# Altium PCB mantarray_beta2_sensor_arrayed.PcbDoc (part 3 of 14) (continued)
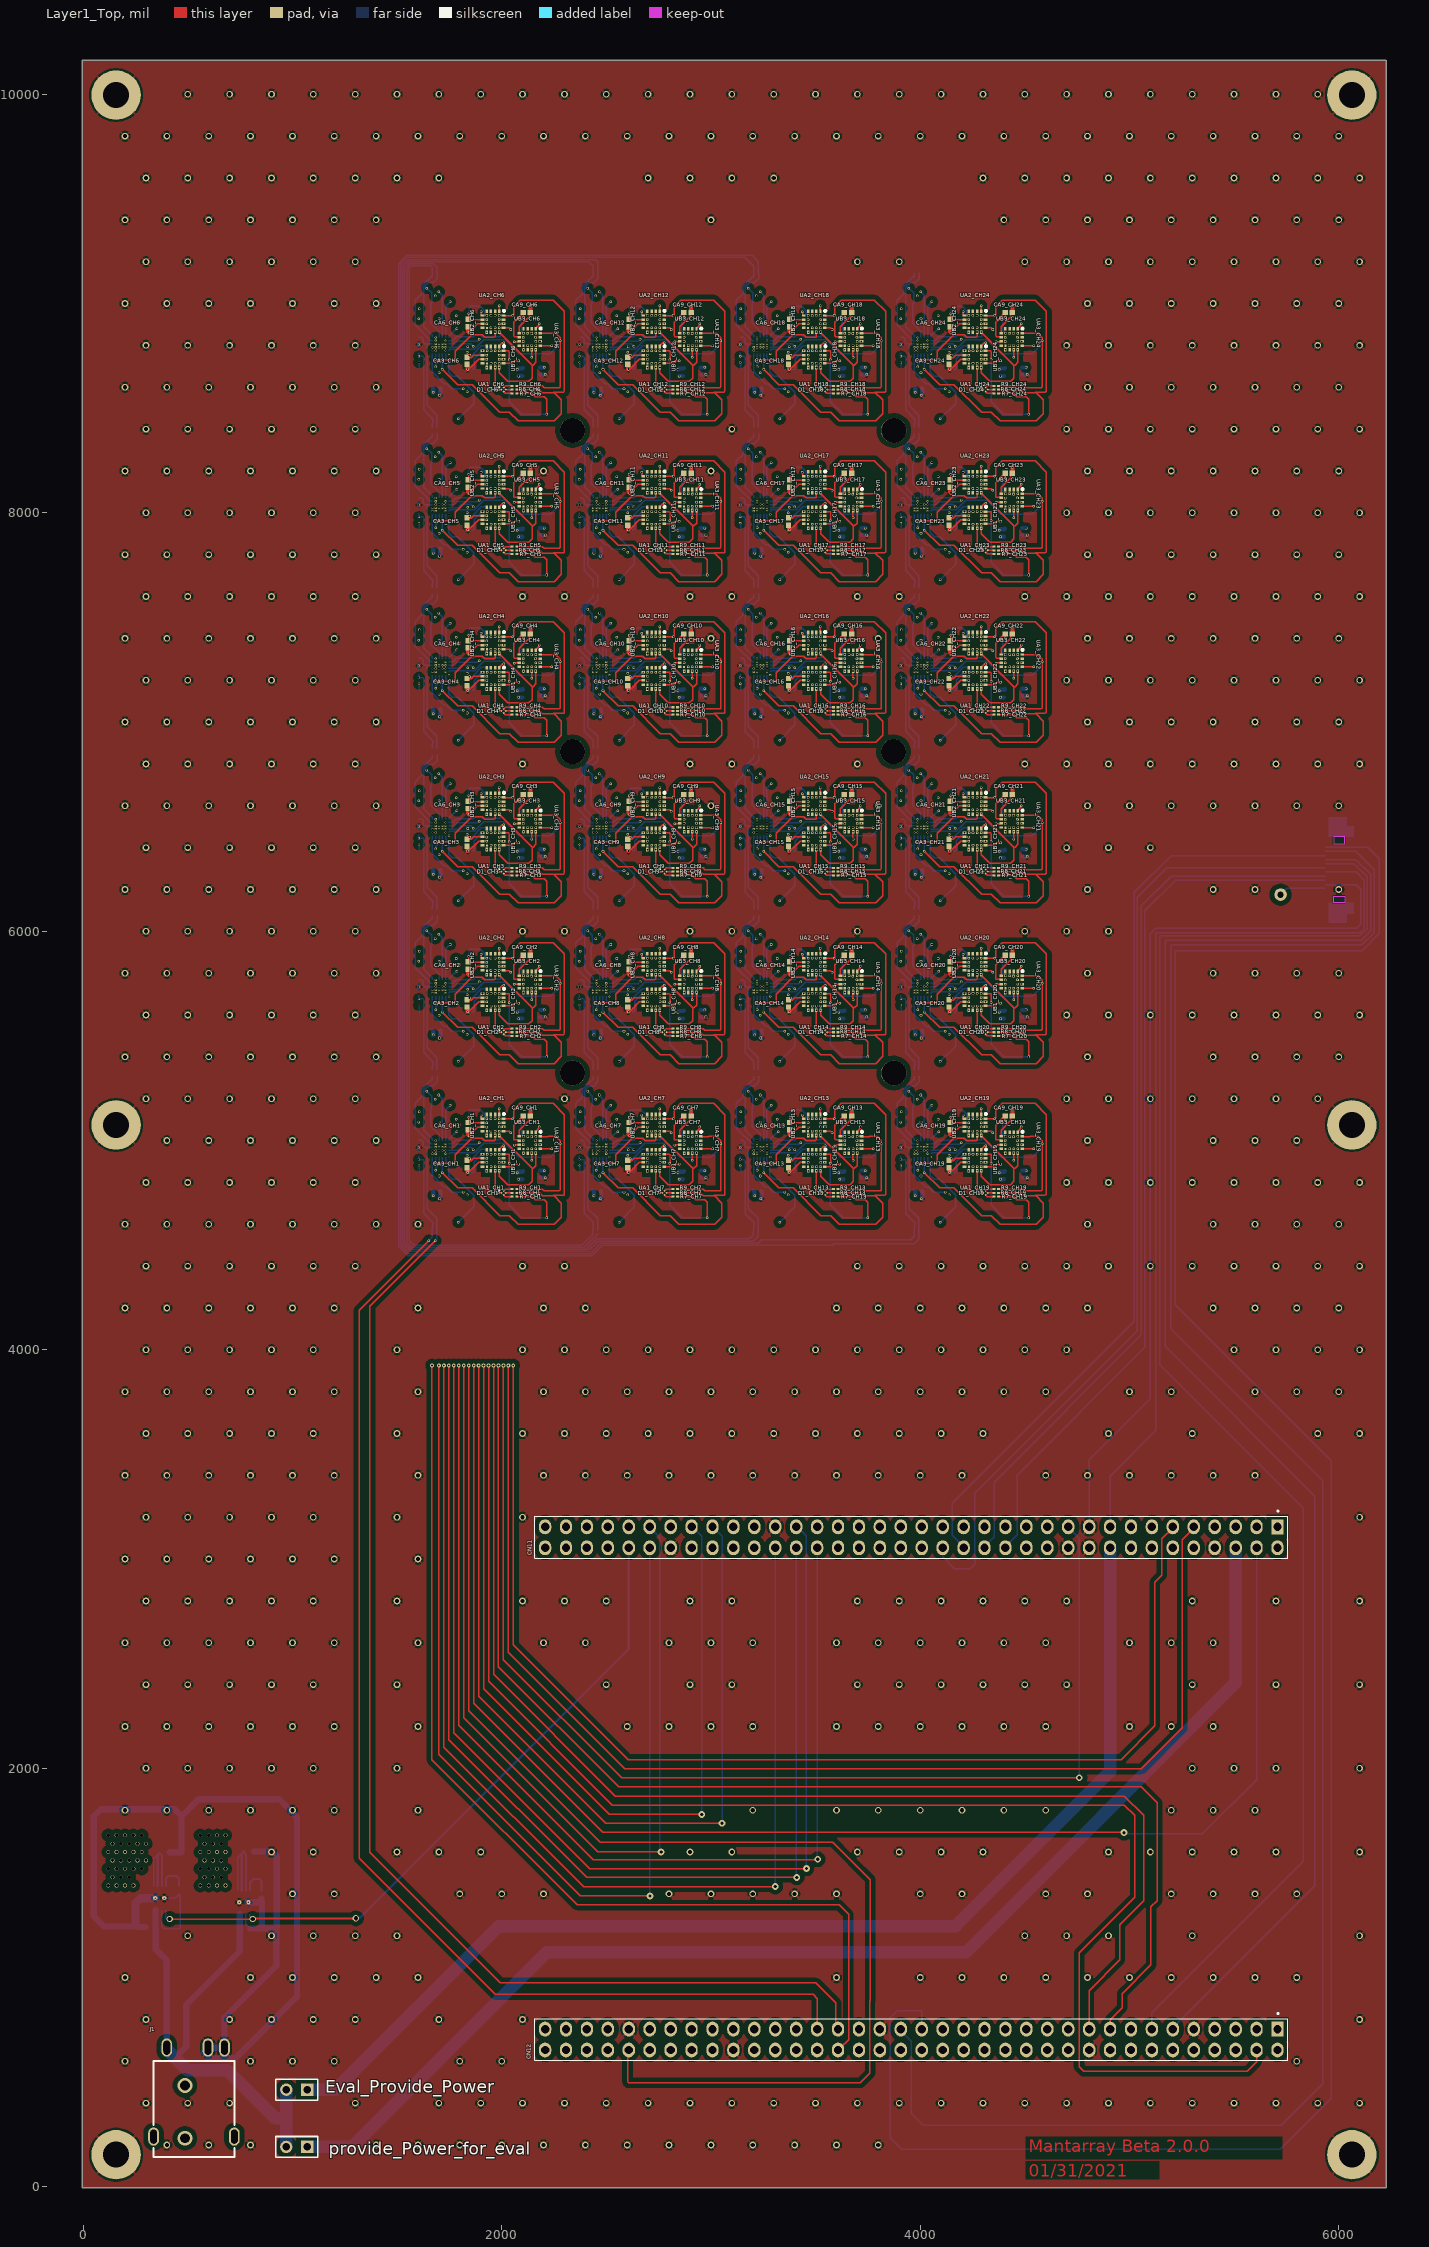
[diagram p0: Layer1_Top view]
## Nets (pads, with @x,y where several pads share a name; then routed paths per layer and width w, separated by ;. In a path a pad name is that pad's centre, name@x,y a point inside that pad or via, vN(x,y) a via of type N, cw(c..) or ccw(c..) an arc to the next point about the centre after c; other vN are vias at no path point) (continued)
  Layer1_Top w6: v1(1929.13,4854.52) UB1_CH1.13@1929.13,4855.31 ; v1(1929.13,5622.23) UB1_CH2.13@1929.13,5623.03 ; v1(1929.13,6389.95) UB1_CH3.13@1929.13,6390.75 ; v1(1929.13,7157.66) UB1_CH4.13@1929.13,7158.46 ; v1(1929.13,7925.38) UB1_CH5.13@1929.13,7926.18 ; v1(1929.13,8693.1) UB1_CH6.13@1929.13,8693.9 ; v1(1984.25,4750) D1_CH1.1@2000.1,4750 ; v1(1984.25,5517.72) D1_CH2.1@2000.1,5517.72 ; v1(1984.25,6285.43) D1_CH3.1@2000.1,6285.43 ; v1(1984.25,7053.15) D1_CH4.1@2000.1,7053.15 ; v1(1984.25,7820.87) D1_CH5.1@2000.1,7820.86 ; v1(1984.25,8588.58) D1_CH6.1@2000.1,8588.58 ; v1(2103.84,4980.03) 2104.33,4979.54 UA3_CH1.6@2104.33,4978.35 ; v1(2103.84,5747.75) 2104.33,5747.26 UA3_CH2.6@2104.33,5746.06 ; v1(2103.84,6515.47) 2104.33,6514.97 UA3_CH3.6@2104.33,6513.78 ; v1(2103.84,7283.18) 2104.33,7282.69 UA3_CH4.6@2104.33,7281.5 ; v1(2103.84,8050.9) 2104.33,8050.41 UA3_CH5.6@2104.33,8049.21 ; v1(2103.84,8818.61) 2104.33,8818.12 UA3_CH6.6@2104.33,8816.93 ; v1(2696.85,4854.52) UB1_CH7.13@2696.85,4855.31 ; v1(2696.85,5622.23) UB1_CH8.13@2696.85,5623.03 ; v1(2696.85,6389.95) UB1_CH9.13@2696.85,6390.75 ; v1(2696.85,7157.66) UB1_CH10.13@2696.85,7158.46 ; v1(2696.85,7925.38) UB1_CH11.13@2696.85,7926.18 ; v1(2696.85,8693.1) UB1_CH12.13@2696.85,8693.9 ; v1(2751.97,4750) D1_CH7.1@2767.82,4750 ; v1(2751.97,5517.72) D1_CH8.1@2767.82,5517.72 ; v1(2751.97,6285.43) D1_CH9.1@2767.82,6285.43 ; v1(2751.97,7053.15) D1_CH10.1@2767.82,7053.15 ; v1(2751.97,7820.87) D1_CH11.1@2767.82,7820.86 ; v1(2751.97,8588.58) D1_CH12.1@2767.82,8588.58 ; v1(2871.55,4980.03) 2872.05,4979.54 UA3_CH7.6@2872.05,4978.35 ; v1(2871.55,5747.75) 2872.05,5747.26 UA3_CH8.6@2872.05,5746.06 ; v1(2871.55,6515.47) 2872.05,6514.97 UA3_CH9.6@2872.05,6513.78 ; v1(2871.55,7283.18) 2872.05,7282.69 UA3_CH10.6@2872.05,7281.5 ; v1(2871.55,8050.9) 2872.05,8050.41 UA3_CH11.6@2872.05,8049.21 ; v1(2871.55,8818.61) 2872.05,8818.12 UA3_CH12.6@2872.05,8816.93 ; v1(3464.57,4854.52) UB1_CH13.13@3464.57,4855.31 ; v1(3464.57,5622.23) UB1_CH14.13@3464.57,5623.03 ; v1(3464.57,6389.95) UB1_CH15.13@3464.57,6390.75 ; v1(3464.57,7157.66) UB1_CH16.13@3464.57,7158.46 ; v1(3464.57,7925.38) UB1_CH17.13@3464.57,7926.18 ; v1(3464.57,8693.1) UB1_CH18.13@3464.57,8693.9 ; v1(3519.69,4750) D1_CH13.1@3535.53,4750 ; v1(3519.69,5517.72) D1_CH14.1@3535.53,5517.72 ; v1(3519.69,6285.43) D1_CH15.1@3535.53,6285.43 ; v1(3519.69,7053.15) D1_CH16.1@3535.53,7053.15 ; v1(3519.69,7820.87) D1_CH17.1@3535.53,7820.86 ; v1(3519.69,8588.58) D1_CH18.1@3535.53,8588.58 ; v1(3639.27,4980.03) 3639.76,4979.54 UA3_CH13.6@3639.76,4978.35 ; v1(3639.27,5747.75) 3639.76,5747.26 UA3_CH14.6@3639.76,5746.06 ; v1(3639.27,6515.47) 3639.76,6514.97 UA3_CH15.6@3639.76,6513.78 ; v1(3639.27,7283.18) 3639.76,7282.69 UA3_CH16.6@3639.76,7281.5 ; v1(3639.27,8050.9) 3639.76,8050.41 UA3_CH17.6@3639.76,8049.21 ; v1(3639.27,8818.61) 3639.76,8818.12 UA3_CH18.6@3639.76,8816.93 ; v1(4232.28,4854.52) UB1_CH19.13@4232.28,4855.31 ; v1(4232.28,5622.23) UB1_CH20.13@4232.28,5623.03 ; v1(4232.28,6389.95) UB1_CH21.13@4232.28,6390.75 ; v1(4232.28,7157.66) UB1_CH22.13@4232.28,7158.46 ; v1(4232.28,7925.38) UB1_CH23.13@4232.28,7926.18 ; v1(4232.28,8693.1) UB1_CH24.13@4232.28,8693.9 ; v1(4287.4,4750) D1_CH19.1@4303.25,4750 ; v1(4287.4,5517.72) D1_CH20.1@4303.25,5517.72 ; v1(4287.4,6285.43) D1_CH21.1@4303.25,6285.43 ; v1(4287.4,7053.15) D1_CH22.1@4303.25,7053.15 ; v1(4287.4,7820.87) D1_CH23.1@4303.25,7820.86 ; v1(4287.4,8588.58) D1_CH24.1@4303.25,8588.58 ; v1(4406.99,4980.03) 4407.48,4979.54 UA3_CH19.6@4407.48,4978.35 ; v1(4406.99,5747.75) 4407.48,5747.26 UA3_CH20.6@4407.48,5746.06 ; v1(4406.99,6515.47) 4407.48,6514.97 UA3_CH21.6@4407.48,6513.78 ; v1(4406.99,7283.18) 4407.48,7282.69 UA3_CH22.6@4407.48,7281.5 ; v1(4406.99,8050.9) 4407.48,8050.41 UA3_CH23.6@4407.48,8049.21 ; v1(4406.99,8818.61) 4407.48,8818.12 UA3_CH24.6@4407.48,8816.93
  Layer2_sig1 w3: v1(1928.64,5064.68) v1@1928.89,5064.43 ; v1(1928.64,5832.39) v1@1928.89,5832.15 ; v1(1928.64,6600.11) v1@1928.89,6599.87 ; v1(1928.64,7367.83) v1@1928.89,7367.58 ; v1(1928.64,8135.54) v1@1928.89,8135.3 ; v1(1928.64,8903.26) v1@1928.89,8903.01 ; v1@1928.89,5024.85 v1(1929.13,5024.61) ; v1@1928.89,5792.57 v1(1929.13,5792.32) ; v1@1928.89,6560.29 v1(1929.13,6560.04) ; v1@1928.89,7328 v1(1929.13,7327.76) ; v1@1928.89,8095.72 v1(1929.13,8095.47) ; v1@1928.89,8863.43 v1(1929.13,8863.19) ; v1(2696.36,5064.68) v1@2696.6,5064.43 ; v1(2696.36,5832.39) v1@2696.6,5832.15 ; v1(2696.36,6600.11) v1@2696.6,6599.87 ; v1(2696.36,7367.83) v1@2696.6,7367.58 ; v1(2696.36,8135.54) v1@2696.6,8135.3 ; v1(2696.36,8903.26) v1@2696.6,8903.01 ; v1@2696.6,5024.85 v1(2696.85,5024.61) ; v1@2696.6,5792.57 v1(2696.85,5792.32) ; v1@2696.6,6560.29 v1(2696.85,6560.04) ; v1@2696.6,7328 v1(2696.85,7327.76) ; v1@2696.6,8095.72 v1(2696.85,8095.47) ; v1@2696.6,8863.43 v1(2696.85,8863.19) ; v1(3464.08,5064.68) v1@3464.32,5064.43 ; v1(3464.08,5832.39) v1@3464.32,5832.15 ; v1(3464.08,6600.11) v1@3464.32,6599.87 ; v1(3464.08,7367.83) v1@3464.32,7367.58 ; v1(3464.08,8135.54) v1@3464.32,8135.3 ; v1(3464.08,8903.26) v1@3464.32,8903.01 ; v1@3464.32,5024.85 v1(3464.57,5024.61) ; v1@3464.32,5792.57 v1(3464.57,5792.32) ; v1@3464.32,6560.29 v1(3464.57,6560.04) ; v1@3464.32,7328 v1(3464.57,7327.76) ; v1@3464.32,8095.72 v1(3464.57,8095.47) ; v1@3464.32,8863.43 v1(3464.57,8863.19) ; v1(4231.79,5064.68) v1@4232.04,5064.43 ; v1(4231.79,5832.39) v1@4232.04,5832.15 ; v1(4231.79,6600.11) v1@4232.04,6599.87 ; v1(4231.79,7367.83) v1@4232.04,7367.58 ; v1(4231.79,8135.54) v1@4232.04,8135.3 ; v1(4231.79,8903.26) v1@4232.04,8903.01 ; v1@4232.04,5024.85 v1(4232.28,5024.61) ; v1@4232.04,5792.57 v1(4232.28,5792.32) ; v1@4232.04,6560.29 v1(4232.28,6560.04) ; v1@4232.04,7328 v1(4232.28,7327.76) ; v1@4232.04,8095.72 v1(4232.28,8095.47) ; v1@4232.04,8863.43 v1(4232.28,8863.19)
  Layer2_sig1 w6: v1(2103.84,4980.03) v1@2104.08,4979.79 ; v1(2103.84,5747.75) v1@2104.08,5747.5 ; v1(2103.84,6515.47) v1@2104.08,6515.22 ; v1(2103.84,7283.18) v1@2104.08,7282.94 ; v1(2103.84,8050.9) v1@2104.08,8050.65 ; v1(2103.84,8818.61) v1@2104.08,8818.37 ; v1@2104.08,4940.21 v1(2104.33,4939.96) ; v1@2104.08,5707.92 v1(2104.33,5707.68) ; v1@2104.08,6475.64 v1(2104.33,6475.39) ; v1@2104.08,7243.36 v1(2104.33,7243.11) ; v1@2104.08,8011.07 v1(2104.33,8010.83) ; v1@2104.08,8778.79 v1(2104.33,8778.54) ; v1(2871.55,4980.03) v1@2871.8,4979.79 ; v1(2871.55,5747.75) v1@2871.8,5747.5 ; v1(2871.55,6515.47) v1@2871.8,6515.22 ; v1(2871.55,7283.18) v1@2871.8,7282.94 ; v1(2871.55,8050.9) v1@2871.8,8050.65 ; v1(2871.55,8818.61) v1@2871.8,8818.37 ; v1@2871.8,4940.21 v1(2872.05,4939.96) ; v1@2871.8,5707.92 v1(2872.05,5707.68) ; v1@2871.8,6475.64 v1(2872.05,6475.39) ; v1@2871.8,7243.36 v1(2872.05,7243.11) ; v1@2871.8,8011.07 v1(2872.05,8010.83) ; v1@2871.8,8778.79 v1(2872.05,8778.54) ; v1(3639.27,4980.03) v1@3639.52,4979.79 ; v1(3639.27,5747.75) v1@3639.52,5747.5 ; v1(3639.27,6515.47) v1@3639.52,6515.22 ; v1(3639.27,7283.18) v1@3639.52,7282.94 ; v1(3639.27,8050.9) v1@3639.52,8050.65 ; v1(3639.27,8818.61) v1@3639.52,8818.37 ; v1@3639.52,4940.21 v1(3639.76,4939.96) ; v1@3639.52,5707.92 v1(3639.76,5707.68) ; v1@3639.52,6475.64 v1(3639.76,6475.39) ; v1@3639.52,7243.36 v1(3639.76,7243.11) ; v1@3639.52,8011.07 v1(3639.76,8010.83) ; v1@3639.52,8778.79 v1(3639.76,8778.54) ; v1(4406.99,4980.03) v1@4407.23,4979.79 ; v1(4406.99,5747.75) v1@4407.23,5747.5 ; v1(4406.99,6515.47) v1@4407.23,6515.22 ; v1(4406.99,7283.18) v1@4407.23,7282.94 ; v1(4406.99,8050.9) v1@4407.23,8050.65 ; v1(4406.99,8818.61) v1@4407.23,8818.37 ; v1@4407.23,4940.21 v1(4407.48,4939.96) ; v1@4407.23,5707.92 v1(4407.48,5707.68) ; v1@4407.23,6475.64 v1(4407.48,6475.39) ; v1@4407.23,7243.36 v1(4407.48,7243.11) ; v1@4407.23,8011.07 v1(4407.48,8010.83) ; v1@4407.23,8778.79 v1(4407.48,8778.54)
  Layer2_sig1 w10: v1@1928.89,5024.85 v1@1928.89,5064.43 ; v1@1928.89,5792.57 v1@1928.89,5832.15 ; v1@1928.89,6560.29 v1@1928.89,6599.87 ; v1@1928.89,7328 v1@1928.89,7367.58 ; v1@1928.89,8095.72 v1@1928.89,8135.3 ; v1@1928.89,8863.43 v1@1928.89,8903.01 ; v1(1929.13,4854.52) v1(1929.13,4895.39) ; v1(1929.13,5622.23) v1(1929.13,5663.11) ; v1(1929.13,6389.95) v1(1929.13,6430.82) ; v1(1929.13,7157.66) v1(1929.13,7198.54) ; v1(1929.13,7925.38) v1(1929.13,7966.26) ; v1(1929.13,8693.1) v1(1929.13,8733.97) ; v1@2104.08,4940.21 v1@2104.08,4979.79 ; v1@2104.08,5707.92 v1@2104.08,5747.5 ; v1@2104.08,6475.64 v1@2104.08,6515.22 ; v1@2104.08,7243.36 v1@2104.08,7282.94 ; v1@2104.08,8011.07 v1@2104.08,8050.65 ; v1@2104.08,8778.79 v1@2104.08,8818.37 ; v1@2696.6,5024.85 v1@2696.6,5064.43 ; v1@2696.6,5792.57 v1@2696.6,5832.15 ; v1@2696.6,6560.29 v1@2696.6,6599.87 ; v1@2696.6,7328 v1@2696.6,7367.58 ; v1@2696.6,8095.72 v1@2696.6,8135.3 ; v1@2696.6,8863.43 v1@2696.6,8903.01 ; v1(2696.85,4854.52) v1(2696.85,4895.39) ; v1(2696.85,5622.23) v1(2696.85,5663.11) ; v1(2696.85,6389.95) v1(2696.85,6430.82) ; v1(2696.85,7157.66) v1(2696.85,7198.54) ; v1(2696.85,7925.38) v1(2696.85,7966.26) ; v1(2696.85,8693.1) v1(2696.85,8733.97) ; v1@2871.8,4940.21 v1@2871.8,4979.79 ; v1@2871.8,5707.92 v1@2871.8,5747.5 ; v1@2871.8,6475.64 v1@2871.8,6515.22 ; v1@2871.8,7243.36 v1@2871.8,7282.94 ; v1@2871.8,8011.07 v1@2871.8,8050.65 ; v1@2871.8,8778.79 v1@2871.8,8818.37 ; v1@3464.32,5024.85 v1@3464.32,5064.43 ; v1@3464.32,5792.57 v1@3464.32,5832.15 ; v1@3464.32,6560.29 v1@3464.32,6599.87 ; v1@3464.32,7328 v1@3464.32,7367.58 ; v1@3464.32,8095.72 v1@3464.32,8135.3 ; v1@3464.32,8863.43 v1@3464.32,8903.01 ; v1(3464.57,4854.52) v1(3464.57,4895.39) ; v1(3464.57,5622.23) v1(3464.57,5663.11) ; v1(3464.57,6389.95) v1(3464.57,6430.82) ; v1(3464.57,7157.66) v1(3464.57,7198.54) ; v1(3464.57,7925.38) v1(3464.57,7966.26) ; v1(3464.57,8693.1) v1(3464.57,8733.97) ; v1@3639.52,4940.21 v1@3639.52,4979.79 ; v1@3639.52,5707.92 v1@3639.52,5747.5 ; v1@3639.52,6475.64 v1@3639.52,6515.22 ; v1@3639.52,7243.36 v1@3639.52,7282.94 ; v1@3639.52,8011.07 v1@3639.52,8050.65 ; v1@3639.52,8778.79 v1@3639.52,8818.37 ; v1@4232.04,5024.85 v1@4232.04,5064.43 ; v1@4232.04,5792.57 v1@4232.04,5832.15 ; v1@4232.04,6560.29 v1@4232.04,6599.87 ; v1@4232.04,7328 v1@4232.04,7367.58 ; v1@4232.04,8095.72 v1@4232.04,8135.3 ; v1@4232.04,8863.43 v1@4232.04,8903.01 ; v1(4232.28,4854.52) v1(4232.28,4895.39) ; v1(4232.28,5622.23) v1(4232.28,5663.11) ; v1(4232.28,6389.95) v1(4232.28,6430.82) ; v1(4232.28,7157.66) v1(4232.28,7198.54) ; v1(4232.28,7925.38) v1(4232.28,7966.26) ; v1(4232.28,8693.1) v1(4232.28,8733.97) ; v1@4407.23,4940.21 v1@4407.23,4979.79 ; v1@4407.23,5707.92 v1@4407.23,5747.5 ; v1@4407.23,6475.64 v1@4407.23,6515.22 ; v1@4407.23,7243.36 v1@4407.23,7282.94 ; v1@4407.23,8011.07 v1@4407.23,8050.65 ; v1@4407.23,8778.79 v1@4407.23,8818.37
  Layer8_BOT w6: U14_DVDD.5@336.61,1437.01 336.61,1567.91 356.3,1587.6 363.19,1594.49 v14(363.19,1598.43) C72_DVDD.2@375.98,1585.63 ; U1_CH1.F1@1747.49,4920.72 v3(1748.03,4921.26) ; U1_CH2.F1@1747.49,5688.44 v3(1748.03,5688.98) ; U1_CH3.F1@1747.49,6456.15 v3(1748.03,6456.69) ; U1_CH4.F1@1747.49,7223.87 v3(1748.03,7224.41) ; U1_CH5.F1@1747.49,7991.59 v3(1748.03,7992.13) ; U1_CH6.F1@1747.49,8759.3 v3(1748.03,8759.84) ; U1_CH7.F1@2515.21,4920.72 v3(2515.75,4921.26) ; U1_CH8.F1@2515.21,5688.44 v3(2515.75,5688.98) ; U1_CH9.F1@2515.21,6456.15 v3(2515.75,6456.69) ; U1_CH10.F1@2515.21,7223.87 v3(2515.75,7224.41) ; U1_CH11.F1@2515.21,7991.59 v3(2515.75,7992.13) ; U1_CH12.F1@2515.21,8759.3 v3(2515.75,8759.84) ; U1_CH13.F1@3282.93,4920.72 v3(3283.46,4921.26) ; U1_CH14.F1@3282.93,5688.44 v3(3283.46,5688.98) ; U1_CH15.F1@3282.93,6456.15 v3(3283.46,6456.69) ; U1_CH16.F1@3282.93,7223.87 v3(3283.46,7224.41) ; U1_CH17.F1@3282.93,7991.59 v3(3283.46,7992.13) ; U1_CH18.F1@3282.93,8759.3 v3(3283.46,8759.84) ; U1_CH19.F1@4050.64,4920.72 v3(4051.18,4921.26) ; U1_CH20.F1@4050.64,5688.44 v3(4051.18,5688.98) ; U1_CH21.F1@4050.64,6456.15 v3(4051.18,6456.69) ; U1_CH22.F1@4050.64,7223.87 v3(4051.18,7224.41) ; U1_CH23.F1@4050.64,7991.59 v3(4051.18,7992.13) ; U1_CH24.F1@4050.64,8759.3 v3(4051.18,8759.84) ; pad.6@5722.44,6175.2 5751.97,6204.72 Barcode_reader.11@5936.08,6204.72
  Layer8_BOT w10: U14_DVDD.6@356.3,1437.01 C72_DVDD.2@356.3,1587.6 ; U14_DVDD.7@375.98,1437.01 C72_DVDD.2@375.98,1585.63
  Layer8_BOT w20: v1(2074.8,4846.46) 2079.29,4850.95 2100.16,4850.95 2102.36,4853.15 C3_CH1.2@2102.36,4853.94 ; v1(2074.8,5614.17) 2079.29,5618.66 2100.16,5618.66 2102.36,5620.87 C3_CH2.2@2102.36,5621.65 ; v1(2074.8,6381.89) 2079.29,6386.38 2100.16,6386.38 2102.36,6388.58 C3_CH3.2@2102.36,6389.37 ; v1(2074.8,7149.61) 2079.29,7154.09 2100.16,7154.09 2102.36,7156.3 C3_CH4.2@2102.36,7157.09 ; v1(2074.8,7917.32) 2079.29,7921.81 2100.16,7921.81 2102.36,7924.02 C3_CH5.2@2102.36,7924.8 ; v1(2074.8,8685.04) 2079.29,8689.53 2100.16,8689.53 2102.36,8691.73 C3_CH6.2@2102.36,8692.52 ; v1(2842.52,4846.46) 2847.01,4850.95 2867.87,4850.95 2870.08,4853.15 C3_CH7.2@2870.08,4853.94 ; v1(2842.52,5614.17) 2847.01,5618.66 2867.87,5618.66 2870.08,5620.87 C3_CH8.2@2870.08,5621.65 ; v1(2842.52,6381.89) 2847.01,6386.38 2867.87,6386.38 2870.08,6388.58 C3_CH9.2@2870.08,6389.37 ; v1(2842.52,7149.61) 2847.01,7154.09 2867.87,7154.09 2870.08,7156.3 C3_CH10.2@2870.08,7157.09 ; v1(2842.52,7917.32) 2847.01,7921.81 2867.87,7921.81 2870.08,7924.02 C3_CH11.2@2870.08,7924.8 ; v1(2842.52,8685.04) 2847.01,8689.53 2867.87,8689.53 2870.08,8691.73 C3_CH12.2@2870.08,8692.52 ; v1(3610.24,4846.46) 3614.72,4850.95 3635.59,4850.95 3637.8,4853.15 C3_CH13.2@3637.8,4853.94 ; v1(3610.24,5614.17) 3614.72,5618.66 3635.59,5618.66 3637.8,5620.87 C3_CH14.2@3637.8,5621.65 ; v1(3610.24,6381.89) 3614.72,6386.38 3635.59,6386.38 3637.8,6388.58 C3_CH15.2@3637.8,6389.37 ; v1(3610.24,7149.61) 3614.72,7154.09 3635.59,7154.09 3637.8,7156.3 C3_CH16.2@3637.8,7157.09 ; v1(3610.24,7917.32) 3614.72,7921.81 3635.59,7921.81 3637.8,7924.02 C3_CH17.2@3637.8,7924.8 ; v1(3610.24,8685.04) 3614.72,8689.53 3635.59,8689.53 3637.8,8691.73 C3_CH18.2@3637.8,8692.52 ; v1(4377.95,4846.46) 4382.44,4850.95 4403.31,4850.95 4405.51,4853.15 C3_CH19.2@4405.51,4853.94 ; v1(4377.95,5614.17) 4382.44,5618.66 4403.31,5618.66 4405.51,5620.87 C3_CH20.2@4405.51,5621.65 ; v1(4377.95,6381.89) 4382.44,6386.38 4403.31,6386.38 4405.51,6388.58 C3_CH21.2@4405.51,6389.37 ; v1(4377.95,7149.61) 4382.44,7154.09 4403.31,7154.09 4405.51,7156.3 C3_CH22.2@4405.51,7157.09 ; v1(4377.95,7917.32) 4382.44,7921.81 4403.31,7921.81 4405.51,7924.02 C3_CH23.2@4405.51,7924.8 ; v1(4377.95,8685.04) 4382.44,8689.53 4403.31,8689.53 4405.51,8691.73 C3_CH24.2@4405.51,8692.52
  other v3: 1685.04,5000 2452.76,5000 3220.47,5000 3988.19,5000 1685.04,5767.72 2452.76,5767.72 3220.47,5767.72 3988.19,5767.72 1685.04,6535.43 2452.76,6535.43 3220.47,6535.43 3988.19,6535.43 1685.04,7303.15 2452.76,7303.15 3220.47,7303.15 3988.19,7303.15 1685.04,8070.87 2452.76,8070.87 3220.47,8070.87 3988.19,8070.87 1685.04,8838.58 2452.76,8838.58 3220.47,8838.58 3988.19,8838.58
  other v6: 120,1440 160,1440 200,1440 240,1440 140,1480 180,1480 220,1480 120,1520 160,1520 200,1520 240,1520 280,1520 140,1560 180,1560 220,1560 260,1560 300,1560 120,1600 160,1600 200,1600 240,1600 280,1600 140,1640 180,1640 220,1640 260,1640 300,1640 120,1680 160,1680 200,1680 240,1680 280,1680
BOOT0: CN11.7
BUS0: CN12.64 pad.5@1846.46,4557.09 pad.5@1846.46,5320.87 pad.5@1846.46,5324.8 pad.5@1846.46,6088.58 pad.5@1846.46,6092.52 pad.5@1846.46,6856.3 pad.5@1846.46,6860.24 pad.5@1846.46,7624.02 pad.5@1846.46,7627.95 pad.5@1846.46,8391.73 pad.5@1846.46,8395.67 pad.5@1846.46,9159.45 pad.5@2614.17,4557.09 pad.5@2614.17,5320.87 pad.5@2614.17,5324.8 pad.5@2614.17,6088.58 pad.5@2614.17,6092.52 pad.5@2614.17,6856.3 pad.5@2614.17,6860.24 pad.5@2614.17,7624.02 pad.5@2614.17,7627.95 pad.5@2614.17,8391.73 pad.5@2614.17,8395.67 pad.5@2614.17,9159.45 pad.5@3381.89,4557.09 pad.5@3381.89,5320.87 pad.5@3381.89,5324.8 pad.5@3381.89,6088.58 pad.5@3381.89,6092.52 pad.5@3381.89,6856.3 pad.5@3381.89,6860.24 pad.5@3381.89,7624.02 pad.5@3381.89,7627.95 pad.5@3381.89,8391.73 pad.5@3381.89,8395.67 pad.5@3381.89,9159.45 pad.5@4149.61,4557.09 pad.5@4149.61,5320.87 pad.5@4149.61,5324.8 pad.5@4149.61,6088.58 pad.5@4149.61,6092.52 pad.5@4149.61,6856.3 pad.5@4149.61,6860.24 pad.5@4149.61,7624.02 pad.5@4149.61,7627.95 pad.5@4149.61,8391.73 pad.5@4149.61,8395.67 pad.5@4149.61,9159.45 U1_CH1.D3 U1_CH2.D3 U1_CH3.D3 U1_CH4.D3 U1_CH5.D3 U1_CH6.D3 U1_CH7.D3 U1_CH8.D3 U1_CH9.D3 U1_CH10.D3 U1_CH11.D3 U1_CH12.D3 U1_CH13.D3 U1_CH14.D3 U1_CH15.D3 U1_CH16.D3 U1_CH17.D3 U1_CH18.D3 U1_CH19.D3 U1_CH20.D3 U1_CH21.D3 U1_CH22.D3 U1_CH23.D3 U1_CH24.D3 | length 33782.3
  Layer1_Top w6: v8(1842.43,3925.2) 1842.43,2275.89 2470.67,1647.64 3582.68,1647.64 3761.81,1468.5 3761.81,889.76 3759.84,887.8 3759.84,543.31 3714.57,498.03 2605.88,498.03 2602.36,501.55 2602.36,648.82 CN12.64@2607.48,653.94
  Layer6_BUS w6: v4(1687.63,9451.41) 1846.46,9292.59 pad.5@1846.46,9159.45 1846.46,9130.28 1740.16,9023.98 1740.16,8848.43 1763.78,8824.8 1763.78,8740.16 ; v3@1717.62,4952.76 v3(1716.54,4952.76) 1716.54,4915.35 1730.31,4901.57 1763.78,4901.57 ; v3@1717.62,5720.47 v3(1716.54,5720.47) 1716.54,5683.07 1730.31,5669.29 1763.78,5669.29 ; v3@1717.62,6488.19 v3(1716.54,6488.19) 1716.54,6450.79 1730.31,6437.01 1763.78,6437.01 ; v3@1717.62,7255.91 v3(1716.54,7255.91) 1716.54,7218.5 1730.31,7204.72 1763.78,7204.72 ; v3@1717.62,8023.62 v3(1716.54,8023.62) 1716.54,7986.22 1730.31,7972.44 1763.78,7972.44 ; v3@1717.62,8791.34 v3(1716.54,8791.34) 1716.54,8753.94 1730.31,8740.16 1763.78,8740.16 ; v8(1842.43,3925.2) 1846.46,3929.23 pad.5@1846.46,4557.09 1846.46,4627.95 1763.78,4710.63 1763.78,4901.57 ; pad.5@1846.46,5320.87 1846.46,5291.7 1740.16,5185.4 1740.16,5009.84 1763.78,4986.22 1763.78,4901.57 ; pad.5@1846.46,5324.8 1846.46,5395.67 1763.78,5478.35 1763.78,5669.29 ; pad.5@1846.46,6088.58 1846.46,6059.42 1740.16,5953.12 1740.16,5777.56 1763.78,5753.94 1763.78,5669.29 ; pad.5@1846.46,6092.52 1846.46,6163.39 1763.78,6246.06 1763.78,6437.01 ; pad.5@1846.46,6856.3 1846.46,6827.13 1740.16,6720.83 1740.16,6545.28 1763.78,6521.65 1763.78,6437.01 ; pad.5@1846.46,6860.24 1846.46,6931.1 1763.78,7013.78 1763.78,7204.72 ; pad.5@1846.46,7624.02 1846.46,7594.85 1740.16,7488.55 1740.16,7312.99 1763.78,7289.37 1763.78,7204.72 ; pad.5@1846.46,7627.95 1846.46,7698.82 1763.78,7781.5 1763.78,7972.44 ; pad.5@1846.46,8391.73 1846.46,8362.57 1740.16,8256.27 1740.16,8080.71 1763.78,8057.09 1763.78,7972.44 ; pad.5@1846.46,8395.67 1846.46,8466.54 1763.78,8549.21 1763.78,8740.16 ; v4(2482.91,4255.28) 2614.17,4386.54 pad.5@2614.17,4557.09 2614.17,4627.95 2531.5,4710.63 2531.5,4901.57 ; v3@2485.33,4952.76 v3(2484.25,4952.76) 2484.25,4915.35 2498.03,4901.57 2531.5,4901.57 ; v3@2485.33,5720.47 v3(2484.25,5720.47) 2484.25,5683.07 2498.03,5669.29 2531.5,5669.29 ; v3@2485.33,6488.19 v3(2484.25,6488.19) 2484.25,6450.79 2498.03,6437.01 2531.5,6437.01 ; v3@2485.33,7255.91 v3(2484.25,7255.91) 2484.25,7218.5 2498.03,7204.72 2531.5,7204.72 ; v3@2485.33,8023.62 v3(2484.25,8023.62) 2484.25,7986.22 2498.03,7972.44 2531.5,7972.44 ; v3@2485.33,8791.34 v3(2484.25,8791.34) 2484.25,8753.94 2498.03,8740.16 2531.5,8740.16 ; v4(2492.18,9381.95) 2614.17,9259.96 pad.5@2614.17,9159.45 2614.17,9130.28 2507.87,9023.98 2507.87,8848.43 2531.5,8824.8 2531.5,8740.16 ; pad.5@2614.17,5320.87 2614.17,5291.7 2507.87,5185.4 2507.87,5009.84 2531.5,4986.22 2531.5,4901.57 ; pad.5@2614.17,5324.8 2614.17,5395.67 2531.5,5478.35 2531.5,5669.29 ; pad.5@2614.17,6088.58 2614.17,6059.42 2507.87,5953.12 2507.87,5777.56 2531.5,5753.94 2531.5,5669.29 ; pad.5@2614.17,6092.52 2614.17,6163.39 2531.5,6246.06 2531.5,6437.01 ; pad.5@2614.17,6856.3 2614.17,6827.13 2507.87,6720.83 2507.87,6545.28 2531.5,6521.65 2531.5,6437.01 ; pad.5@2614.17,6860.24 2614.17,6931.1 2531.5,7013.78 2531.5,7204.72 ; pad.5@2614.17,7624.02 2614.17,7594.85 2507.87,7488.55 2507.87,7312.99 2531.5,7289.37 2531.5,7204.72 ; pad.5@2614.17,7627.95 2614.17,7698.82 2531.5,7781.5 2531.5,7972.44 ; pad.5@2614.17,8391.73 2614.17,8362.57 2507.87,8256.27 2507.87,8080.71 2531.5,8057.09 2531.5,7972.44 ; pad.5@2614.17,8395.67 2614.17,8466.54 2531.5,8549.21 2531.5,8740.16 ; v3@3253.05,4952.76 v3(3251.97,4952.76) 3251.97,4915.35 3265.75,4901.57 3299.21,4901.57 ; v3@3253.05,5720.47 v3(3251.97,5720.47) 3251.97,5683.07 3265.75,5669.29 3299.21,5669.29 ; v3@3253.05,6488.19 v3(3251.97,6488.19) 3251.97,6450.79 3265.75,6437.01 3299.21,6437.01 ; v3@3253.05,7255.91 v3(3251.97,7255.91) 3251.97,7218.5 3265.75,7204.72 3299.21,7204.72 ; v3@3253.05,8023.62 v3(3251.97,8023.62) 3251.97,7986.22 3265.75,7972.44 3299.21,7972.44 ; v3@3253.05,8791.34 v3(3251.97,8791.34) 3251.97,8753.94 3265.75,8740.16 3299.21,8740.16 ; v4(3254.56,9433.7) 3381.89,9306.37 pad.5@3381.89,9159.45 3381.89,9130.28 3275.59,9023.98 3275.59,8848.43 3299.21,8824.8 3299.21,8740.16 ; v4(3343.56,4371.01) 3381.89,4409.34 pad.5@3381.89,4557.09 3381.89,4627.95 3299.21,4710.63 3299.21,4901.57 ; pad.5@3381.89,5320.87 3381.89,5291.7 3275.59,5185.4 3275.59,5009.84 3299.21,4986.22 3299.21,4901.57 ; pad.5@3381.89,5324.8 3381.89,5395.67 3299.21,5478.35 3299.21,5669.29 ; pad.5@3381.89,6088.58 3381.89,6059.42 3275.59,5953.12 3275.59,5777.56 3299.21,5753.94 3299.21,5669.29 ; pad.5@3381.89,6092.52 3381.89,6163.39 3299.21,6246.06 3299.21,6437.01 ; pad.5@3381.89,6856.3 3381.89,6827.13 3275.59,6720.83 3275.59,6545.28 3299.21,6521.65 3299.21,6437.01 ; pad.5@3381.89,6860.24 3381.89,6931.1 3299.21,7013.78 3299.21,7204.72 ; pad.5@3381.89,7624.02 3381.89,7594.85 3275.59,7488.55 3275.59,7312.99 3299.21,7289.37 3299.21,7204.72 ; pad.5@3381.89,7627.95 3381.89,7698.82 3299.21,7781.5 3299.21,7972.44 ; pad.5@3381.89,8391.73 3381.89,8362.57 3275.59,8256.27 3275.59,8080.71 3299.21,8057.09 3299.21,7972.44 ; pad.5@3381.89,8395.67 3381.89,8466.54 3299.21,8549.21 3299.21,8740.16 ; v4(3998.66,9431.73) 4149.51,9280.87 pad.5@4149.51,9159.54 ; v3@4020.77,4952.76 v3(4019.69,4952.76) 4019.69,4915.35 4033.46,4901.57 4066.93,4901.57 ; v3@4020.77,5720.47 v3(4019.69,5720.47) 4019.69,5683.07 4033.46,5669.29 4066.93,5669.29 ; v3@4020.77,6488.19 v3(4019.69,6488.19) 4019.69,6450.79 4033.46,6437.01 4066.93,6437.01 ; v3@4020.77,7255.91 v3(4019.69,7255.91) 4019.69,7218.5 4033.46,7204.72 4066.93,7204.72 ; v3@4020.77,8023.62 v3(4019.69,8023.62) 4019.69,7986.22 4033.46,7972.44 4066.93,7972.44 ; v3@4020.77,8791.34 v3(4019.69,8791.34) 4019.69,8753.94 4033.46,8740.16 4066.93,8740.16 ; pad.5@4149.61,4557.09 4149.61,4627.95 4066.93,4710.63 4066.93,4901.57 ; pad.5@4149.61,5320.87 4149.61,5291.7 4043.31,5185.4 4043.31,5009.84 4066.93,4986.22 4066.93,4901.57 ; pad.5@4149.61,5324.8 4149.61,5395.67 4066.93,5478.35 4066.93,5669.29 ; pad.5@4149.61,6088.58 4149.61,6059.42 4043.31,5953.12 4043.31,5777.56 4066.93,5753.94 4066.93,5669.29 ; pad.5@4149.61,6092.52 4149.61,6163.39 4066.93,6246.06 4066.93,6437.01 ; pad.5@4149.61,6856.3 4149.61,6827.13 4043.31,6720.83 4043.31,6545.28 4066.93,6521.65 4066.93,6437.01 ; pad.5@4149.61,6860.24 4149.61,6931.1 4066.93,7013.78 4066.93,7204.72 ; pad.5@4149.61,7624.02 4149.61,7594.85 4043.31,7488.55 4043.31,7312.99 4066.93,7289.37 4066.93,7204.72 ; pad.5@4149.61,7627.95 4149.61,7698.82 4066.93,7781.5 4066.93,7972.44 ; pad.5@4149.61,8391.73 4149.61,8362.57 4043.31,8256.27 4043.31,8080.71 4066.93,8057.09 4066.93,7972.44 ; pad.5@4149.61,8395.67 4149.61,8466.54 4066.93,8549.21 4066.93,8740.16 ; pad.5@4149.61,9159.45 4149.61,9130.28 4043.31,9023.98 4043.31,8848.43 4066.93,8824.8 4066.93,8740.16
  Layer7_sig2 w6: v4(1687.63,9451.41) 1688.08,9450.97 1709.82,9450.97 1710.26,9451.41 2422.72,9451.41 v4(2492.18,9381.95) ; v4(2482.91,4255.28) 2483.35,4255.72 2505.09,4255.72 2505.54,4255.28 3227.83,4255.28 v4(3343.56,4371.01) ; v4(3254.56,9433.7) 3255.01,9433.25 3997.13,9433.25 v4(3998.66,9431.73)
  Layer8_BOT w6: CN12.64@2607.48,653.94 CN12.64@2607.48,664.57